# KiCad board PCB_PANELIZED.kicad_pcb (continued)
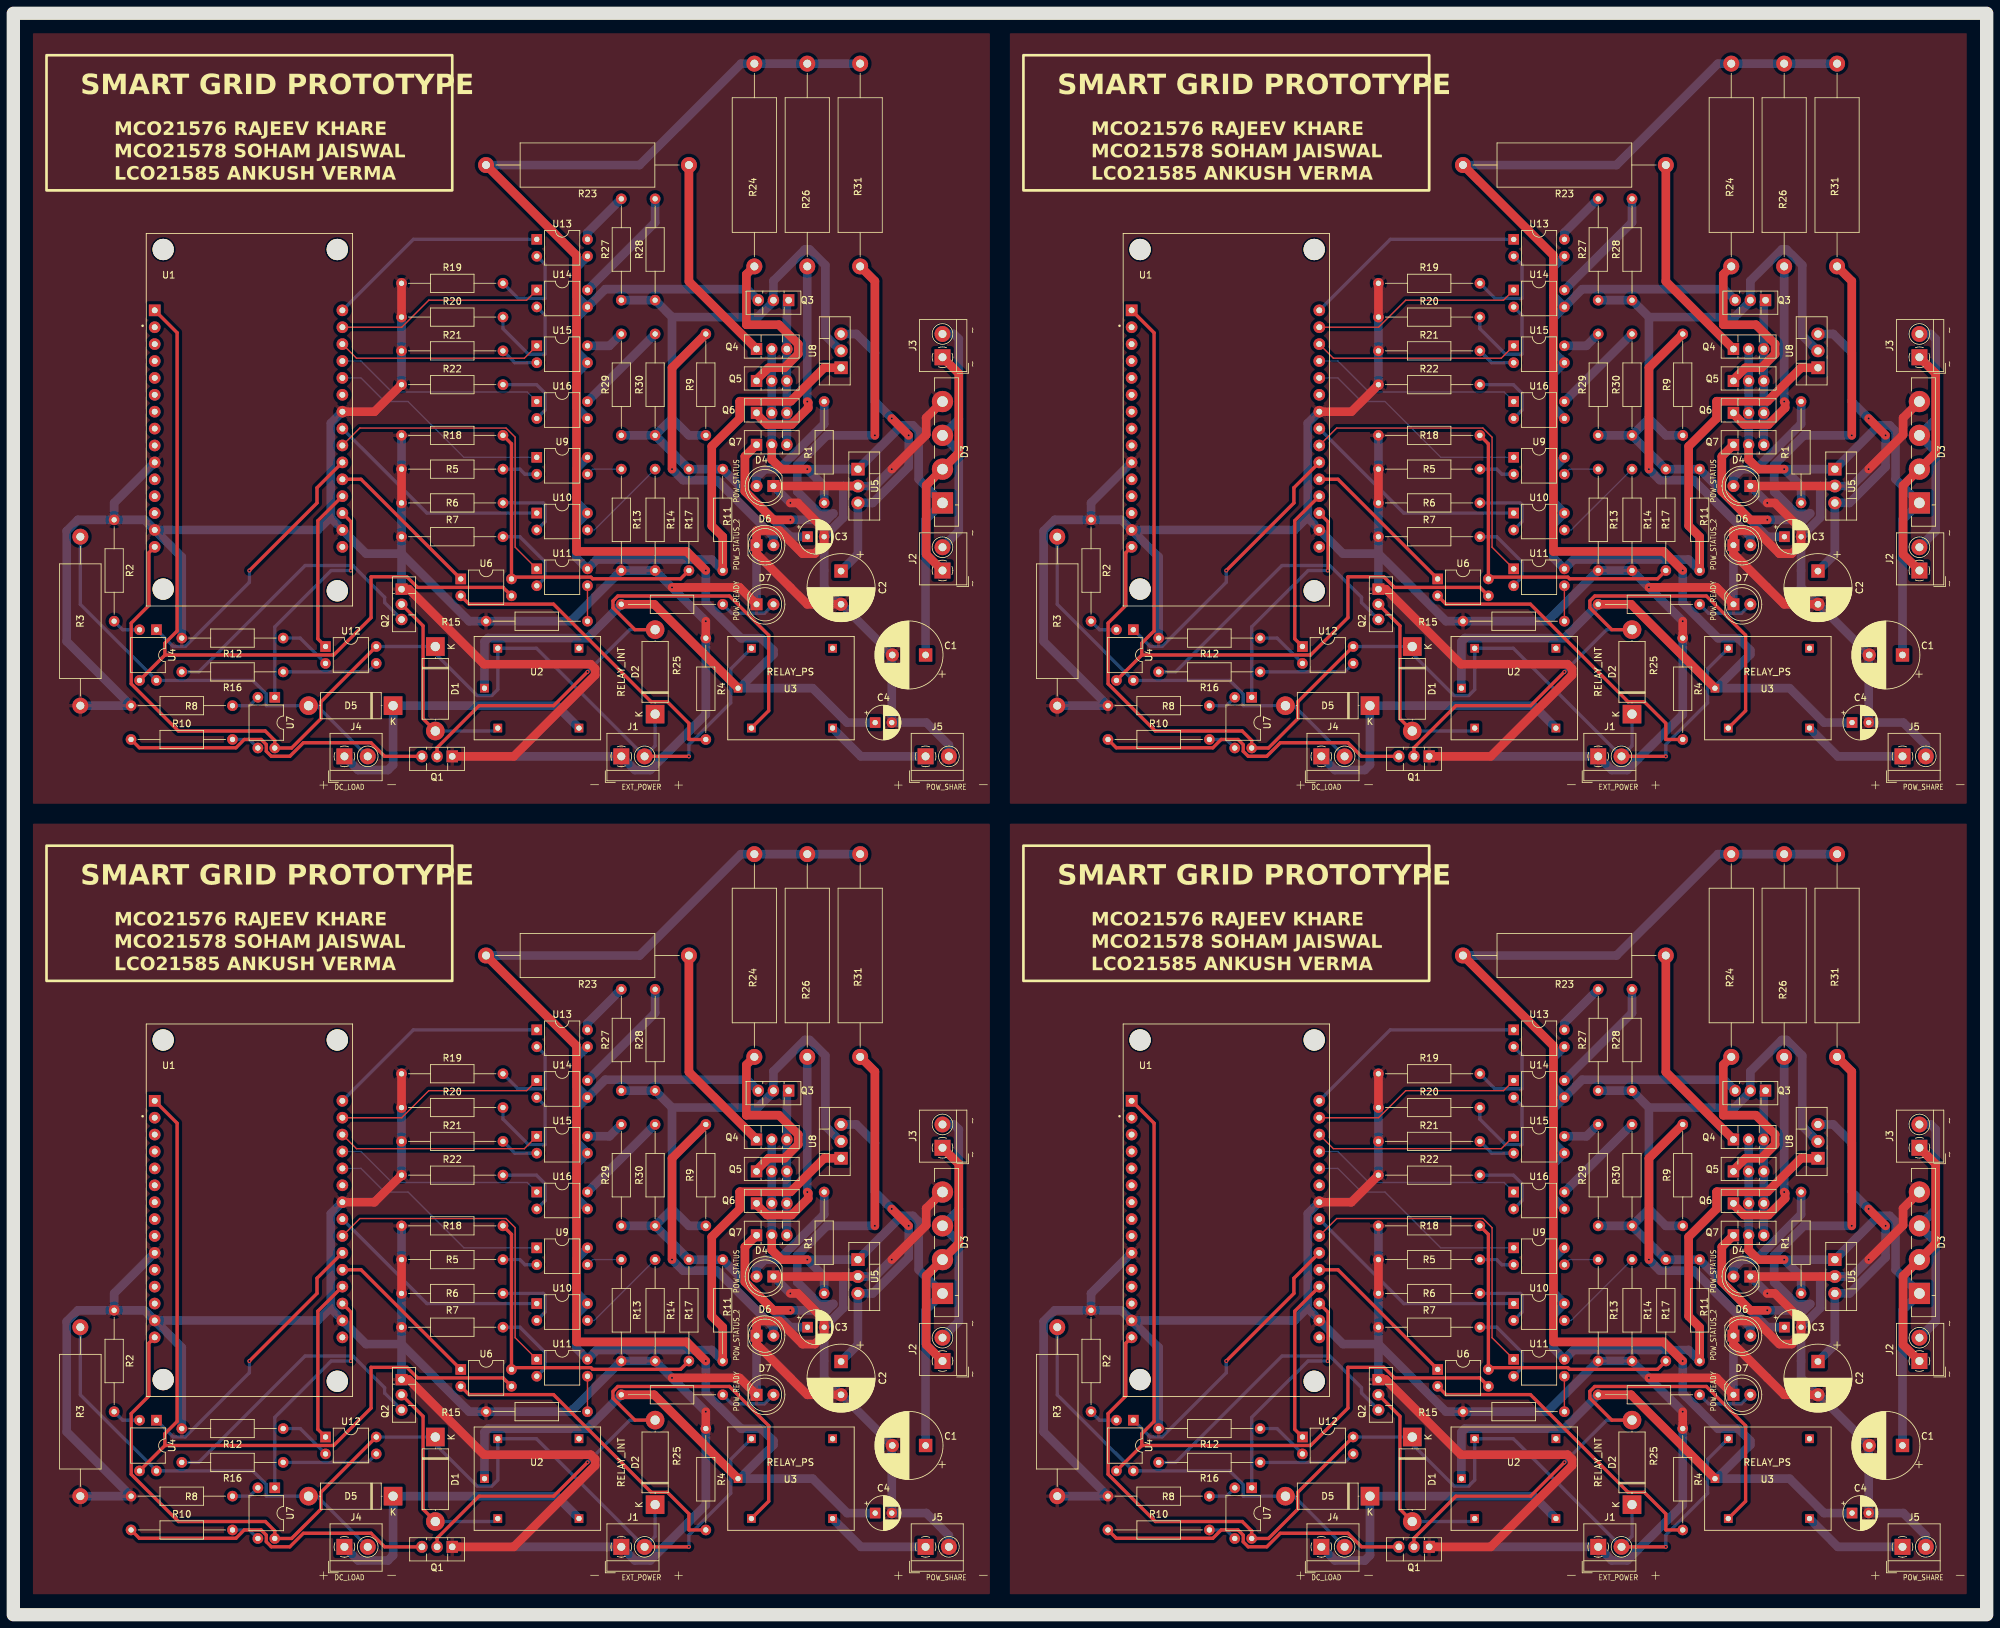
[diagram p0: board, top side]
## Placement (name value [footprint] x y rotation side) (continued)
U16#2  PC817  [DIP-4_W7.62mm]  78.65 63.54 0 top
U16#3  PC817  [DIP-4_W7.62mm]  225.43 182.38 0 top
U16#4  PC817  [DIP-4_W7.62mm]  225.43 63.54 0 top

## Library data of the parts
C1 C1#2 C1#3 C2 C2#2 C2#4 C3 C3#2 C3#3 C4 C4#2 C4#4 = -: Description: Polarized capacitor
C1#4 C2#3 C3#4 C4#3 = -: Description: Polarized capacitor; ki_fp_filters: CP_*
D1 D1#3 D1#4 D2#2-D2#4 D5 D5#2 D5#3 = -: Description: Diode; Sim.Device: D; Sim.Pins: 1=K 2=A
D1#2 D2 D5#4 = -: Description: Diode; Sim.Device: D; Sim.Pins: 1=K 2=A; ki_fp_filters: TO-???* *_Diode_* *SingleDiode* D_*
D3 D3#2 D3#4 = -: Datasheet: http://www.vishay.com/docs/88656/gbu4a.pdf; Description: Single-Phase Bridge Rectifier, 35V Vrms, 4.0A If, GBU package
D3#3 = -: Datasheet: http://www.vishay.com/docs/88656/gbu4a.pdf; Description: Single-Phase Bridge Rectifier, 35V Vrms, 4.0A If, GBU package; ki_fp_filters: Diode*Bridge*Vishay*GBU*
D4 D4#3 D4#4 D6 D6#2 D6#4 D7 D7#3 D7#4 = -: Description: Light emitting diode
D4#2 D6#3 D7#2 = -: Description: Light emitting diode; ki_fp_filters: LED* LED_SMD:* LED_THT:*
J1 J1#2 J1#3 J2 J2#2 J2#3 J3 J3#3 J3#4 J4 J4#3 J4#4 J5 J5#2 J5#3 = -: Description: Generic screw terminal, single row, 01x02, script generated (kicad-library-utils/schlib/autogen/connector/)
J1#4 J2#4 J3#2 J4#2 J5#4 = -: Description: Generic screw terminal, single row, 01x02, script generated (kicad-library-utils/schlib/autogen/connector/); ki_fp_filters: TerminalBlock*:*
Q1 Q1#3 Q1#4 Q2 Q2#2 Q2#3 Q3 Q3#2 Q3#4 Q4 Q4#2 Q4#4 Q5 Q5#2 Q5#4 Q6 Q6#3 Q6#4 Q7#2-Q7#4 = -: Datasheet: http://www.st.com/internet/com/TECHNICAL_RESOURCES/TECHNICAL_LITERATURE/DATASHEET/CD00001225.pdf; Description: 1.5A Ic, 80V Vce, Low Voltage Transistor, TO-126
Q1#2 Q2#4 Q3#3 Q4#3 Q5#3 Q6#2 Q7 = -: Datasheet: http://www.st.com/internet/com/TECHNICAL_RESOURCES/TECHNICAL_LITERATURE/DATASHEET/CD00001225.pdf; Description: 1.5A Ic, 80V Vce, Low Voltage Transistor, TO-126; ki_fp_filters: TO?126*
R1 R1#2 R1#3 R2 R2#2 R2#4 R3 R3#3 R3#4 R4#2-R4#4 R5#2-R5#4 R6 R6#3 R6#4 R7#2-R7#4 R8 R8#2 R8#4 R9 R9#2 R9#4 R10 R10#2 R10#3 R11 R11#2 R11#4 R12#2-R12#4 R13 R13#3 R13#4 R14 R14#3 R14#4 R15 R15#2 R15#3 R16 R16#3 R16#4 R17 R17#3 R17#4 R18#2-R18#4 R19 R19#2 R19#3 R20 R20#2 R20#3 R21 R21#2 R21#4 R22 R22#2 R22#3 R23#2-R23#4 R24#2-R24#4 R25#2-R25#4 R26 R26#2 R26#3 R27 R27#2 R27#4 R28 R28#2 R28#4 R29#2-R29#4 R30 R30#2 R30#4 R31 R31#2 R31#3 = -: Description: Resistor
R1#4 R2#3 R3#2 R4 R5 R6#2 R7 R8#3 R9#3 R10#4 R11#3 R12 R13#2 R14#2 R15#4 R16#2 R17#2 R18 R19#4 R20#4 R21#3 R22#4 R23-R25 R26#4 R27#3 R28#3 R29 R30#3 R31#4 = -: Description: Resistor; ki_fp_filters: R_*
U1 U1#2-U1#4 = -: Description: ESP8266 Lolin Development Board; MF: YKS; MAXIMUM_PACKAGE_HEIGHT: N/A; Package: None; Price: None; Check_prices: https://www.snapeda.com/parts/ZC563900/YKS/view-part/?ref=eda; STANDARD: Manufacturer Recommendations; PARTREV: 1.0; SnapEDA_Link: https://www.snapeda.com/parts/ZC563900/YKS/view-part/?ref=snap; MP: ZC563900; Description_1: NodeMcu Lua ESP8266 WIFI Internet of Things Network Development Module Board; Availability: Not in stock; MANUFACTURER: YKS
U2 U2#2-U2#4 U3 U3#2-U3#4 = -: MF: CIT Relay and Switch; Description_1: General Purpose Relay SPST-NO (1 Form A) 3VDC Coil Through Hole; Package: None; Price: None; SnapEDA_Link: https://www.snapeda.com/parts/J107F1AS123VDC.36/CIT+Relay+%2526+Switch/view-part/?ref=snap; MP: J107F1AS123VDC.36; Availability: In Stock; Check_prices: https://www.snapeda.com/parts/J107F1AS123VDC.36/CIT+Relay+%2526+Switch/view-part/?ref=eda
U4 U4#2 U4#4 U6 U6#2 U6#4 U7 U7#2 U7#3 U9 U9#2 U9#3 U10 U10#2 U10#4 U11 U11#3 U11#4 U12 U12#2 U12#3 U13 U13#3 U13#4 U14 U14#2 U14#3 U15 U15#2 U15#4 U16#2-U16#4 = -: Datasheet: http://www.soselectronic.cz/a_info/resource/d/pc817.pdf; Description: DC Optocoupler, Vce 35V, CTR 50-300%, DIP-4
U4#3 U6#3 U7#4 U9#4 U10#3 U11#2 U12#4 U13#2 U14#4 U15#3 U16 = -: Datasheet: http://www.soselectronic.cz/a_info/resource/d/pc817.pdf; Description: DC Optocoupler, Vce 35V, CTR 50-300%, DIP-4; ki_fp_filters: DIP*W7.62mm*
U5 U5#2 U5#3 = -: Datasheet: https://www.onsemi.cn/PowerSolutions/document/MC7800-D.PDF; Description: Positive 1A 35V Linear Regulator, Fixed Output 24V, TO-220
U5#4 = -: Datasheet: https://www.onsemi.cn/PowerSolutions/document/MC7800-D.PDF; Description: Positive 1A 35V Linear Regulator, Fixed Output 24V, TO-220; ki_fp_filters: TO?220*
U8 U8#2 U8#3 = -: Datasheet: http://www.ti.com/lit/ds/symlink/lm317.pdf; Description: 1.5A 35V Adjustable Linear Regulator, TO-220
U8#4 = -: Datasheet: http://www.ti.com/lit/ds/symlink/lm317.pdf; Description: 1.5A 35V Adjustable Linear Regulator, TO-220; ki_fp_filters: TO?220*

## Footprints (pads in the part's own frame, mm; a bottom-side part is the same pattern mirrored in y, then rotated)
CP_Radial_D5.0mm_P2.50mm
  rect 1.6x1.6 hole 0.8: 1(0,0)
  round 1.6 hole 0.8: 2(2.5,0)
CP_Radial_D10.0mm_P5.00mm
  rect 2x2 hole 1: 1(0,0)
  round 2 hole 1: 2(5,0)
D_5W_P12.70mm_Horizontal
  rect 2.8x2.8 hole 1.4: 1(0,0)
  oval 2.8x2.8 hole 1.4: 2(12.7,0)
Diode_Bridge_Vishay_GBU
  rect 3.2x3.2 hole 1.6: 1(0,0)
  round 3.2 hole 1.6: 2(5.08,0) 3(10.16,0) 4(15.24,0)
DIP-4_W7.62mm
  rect 1.6x1.6 hole 0.8: 1(0,0)
  oval 1.6x1.6 hole 0.8: 2(0,-2.54) 3(7.62,-2.54) 4(7.62,0)
J107F
  rect 1.308x1.308 hole 0.8: P$1(3.55,13.765) P$2(1.55,7.765) P$3(3.55,1.765) P$4(15.75,1.765) P$5(15.75,13.765)
LED_D5.0mm
  rect 1.8x1.8 hole 0.9: 1(0,0)
  round 1.8 hole 0.9: 2(2.54,0)
MODULE_ZC563900
  round 3.2 hole 3.2 unplated: (-10.16,29.464) (-10.16,-21.59) (16.002,29.464) (16.002,-21.844)
  rect 1.753x1.753 hole 0.889: 1(-11.43,20.32)
  round 1.753 hole 0.889: 2(-11.43,17.78) 3(-11.43,15.24) 4(-11.43,12.7) 5(-11.43,10.16) 6(-11.43,7.62) 7(-11.43,5.08) 8(-11.43,2.54) 9(-11.43,0) 10(-11.43,-2.54) 11(-11.43,-5.08) 12(-11.43,-7.62) 13(-11.43,-10.16) 14(-11.43,-12.7) 15(-11.43,-15.24) 16(16.764,-15.24) 17(16.764,-12.7) 18(16.764,-10.16) 19(16.764,-7.62) 20(16.764,-5.08) 21(16.764,-2.54) 22(16.764,0) 23(16.764,2.54) 24(16.764,5.08) 25(16.764,7.62) 26(16.764,10.16) 27(16.764,12.7) 28(16.764,15.24) 29(16.764,17.78) 30(16.764,20.32)
R_Axial_DIN0207_L6.3mm_D2.5mm_P15.24mm_Horizontal
  round 1.6 hole 0.8: 1(0,0)
  oval 1.6x1.6 hole 0.8: 2(15.24,0)
R_Axial_DIN0617_L17.0mm_D6.0mm_P25.40mm_Horizontal
  round 2.4 hole 1.2: 1(0,0)
  oval 2.4x2.4 hole 1.2: 2(25.4,0)
R_Axial_Power_L20.0mm_W6.4mm_P30.48mm
  round 2.4 hole 1.2: 1(0,0)
  oval 2.4x2.4 hole 1.2: 2(30.48,0)
TerminalBlock_4Ucon_1x02_P3.50mm_Horizontal
  rect 2.4x2.4 hole 1.2: 1(0,0)
  round 2.4 hole 1.2: 2(3.5,0)
TO-126-3_Vertical
  rect 1.71x1.8 hole 1: 1(0,0)
  oval 1.71x1.8 hole 1: 2(2.28,0) 3(4.56,0)
TO-220-3_Vertical
  rect 1.905x2 hole 1.1: 1(0,0)
  oval 1.905x2 hole 1.1: 2(2.54,0) 3(5.08,0)

## Nets
GND: C1.2 C1#2.2 C1#3.2 C1#4.2 C2.2 C2#2.2 C2#3.2 C2#4.2 C3.2 C3#2.2 C3#3.2 C3#4.2 C4.2 C4#2.2 C4#3.2 C4#4.2 D3.4 D3#2.4 D3#3.4 D3#4.4 D4.1 D4#2.1 D4#3.1 D4#4.1 D6.1 D6#2.1 D6#3.1 D6#4.1 D7.1 D7#2.1 D7#3.1 D7#4.1 J1.1 J1#2.1 J1#3.1 J1#4.1 J5.2 J5#2.2 J5#3.2 J5#4.2 Q1.1 Q1#2.1 Q1#3.1 Q1#4.1 Q2.1 Q2#2.1 Q2#3.1 Q2#4.1 R2.1 R2#2.1 R2#3.1 R2#4.1 R3.2 R3#2.2 R3#3.2 R3#4.2 R4.1 R4#2.1 R4#3.1 R4#4.1 R5.1 R5#2.1 R5#3.1 R5#4.1 R6.1 R6#2.1 R6#3.1 R6#4.1 R7.1 R7#2.1 R7#3.1 R7#4.1 R8.2 R8#2.2 R8#3.2 R8#4.2 R12.2 R12#2.2 R12#3.2 R12#4.2 R13.2 R13#2.2 R13#3.2 R13#4.2 R14.2 R14#2.2 R14#3.2 R14#4.2 R15.2 R15#2.2 R15#3.2 R15#4.2 R18.2 R18#2.2 R18#3.2 R18#4.2 R19.1 R19#2.1 R19#3.1 R19#4.1 R20.1 R20#2.1 R20#3.1 R20#4.1 R21.1 R21#2.1 R21#3.1 R21#4.1 R22.1 R22#2.1 R22#3.1 R22#4.1 U1.10 U1.14 U1.17 U1.24 U1#2.10 U1#2.14 U1#2.17 U1#2.24 U1#3.10 U1#3.14 U1#3.17 U1#3.24 U1#4.10 U1#4.14 U1#4.17 U1#4.24 U5.2 U5#2.2 U5#3.2 U5#4.2
/1k_R: R28.2 R28#2.2 R28#3.2 R28#4.2 U14.4 U14#2.4 U14#3.4 U14#4.4
/3k_R: R29.2 R29#2.2 R29#3.2 R29#4.2 U15.4 U15#2.4 U15#3.4 U15#4.4
/5k_R: R30.2 R30#2.2 R30#3.2 R30#4.2 U16.4 U16#2.4 U16#3.4 U16#4.4
/150_R: R27.2 R27#2.2 R27#3.2 R27#4.2 U13.4 U13#2.4 U13#3.4 U13#4.4
/A0: U1.1 U1#2.1 U1#3.1 U1#4.1 U4.3 U4#2.3 U4#3.3 U4#4.3 U6.3 U6#2.3 U6#3.3 U6#4.3
/C_SENSE: D5.2 D5#2.2 D5#3.2 D5#4.2 J4.2 J4#2.2 J4#3.2 J4#4.2 R3.1 R3#2.1 R3#3.1 R3#4.1 U4.4 U4#2.4 U4#3.4 U4#4.4
/CURRENT_CONTROL: Q3.3 Q3#2.3 Q3#3.3 Q3#4.3 U13.3 U13#2.3 U13#3.3 U13#4.3 U14.3 U14#2.3 U14#3.3 U14#4.3 U15.3 U15#2.3 U15#3.3 U15#4.3 U16.3 U16#2.3 U16#3.3 U16#4.3
/D0: U1.30 U1#2.30 U1#3.30 U1#4.30 U13.1 U13#2.1 U13#3.1 U13#4.1
/D1: U1.29 U1#2.29 U1#3.29 U1#4.29 U14.1 U14#2.1 U14#3.1 U14#4.1
/D2: U1.28 U1#2.28 U1#3.28 U1#4.28 U15.1 U15#2.1 U15#3.1 U15#4.1
/D3: U1.27 U1#2.27 U1#3.27 U1#4.27 U16.1 U16#2.1 U16#3.1 U16#4.1
/D4: U1.26 U1#2.26 U1#3.26 U1#4.26 U9.1 U9#2.1 U9#3.1 U9#4.1
/D5: U1.23 U1#2.23 U1#3.23 U1#4.23 U10.1 U10#2.1 U10#3.1 U10#4.1
/D6: U1.22 U1#2.22 U1#3.22 U1#4.22 U11.1 U11#2.1 U11#3.1 U11#4.1
/D7: U1.21 U1#2.21 U1#3.21 U1#4.21 U4.1 U4#2.1 U4#3.1 U4#4.1
/D8: U1.20 U1#2.20 U1#3.20 U1#4.20 U6.1 U6#2.1 U6#3.1 U6#4.1
/E1_TO_R: Q4.1 Q4#2.1 Q4#3.1 Q4#4.1 R23.1 R23#2.1 R23#3.1 R23#4.1
/E2_TO_R: Q5.1 Q5#2.1 Q5#3.1 Q5#4.1 R24.1 R24#2.1 R24#3.1 R24#4.1
/E3_TO_R: Q6.1 Q6#2.1 Q6#3.1 Q6#4.1 R26.1 R26#2.1 R26#3.1 R26#4.1
/E4_TO_R: Q7.1 Q7#2.1 Q7#3.1 Q7#4.1 R31.1 R31#2.1 R31#3.1 R31#4.1
/EXT_POWER: D1.1 D1#2.1 D1#3.1 D1#4.1 D2.1 D2#2.1 D2#3.1 D2#4.1 J1.2 J1#2.2 J1#3.2 J1#4.2 U1.15 U1#2.15 U1#3.15 U1#4.15 U2.P$1 U2#2.P$1 U2#3.P$1 U2#4.P$1 U3.P$1 U3#2.P$1 U3#3.P$1 U3#4.P$1 U7.4 U7#2.4 U7#3.4 U7#4.4 U12.4 U12#2.4 U12#3.4 U12#4.4
/LOAD+: C4.1 C4#2.1 C4#3.1 C4#4.1 R23.2 R23#2.2 R23#3.2 R23#4.2 R24.2 R24#2.2 R24#3.2 R24#4.2 R25.1 R25#2.1 R25#3.1 R25#4.1 R26.2 R26#2.2 R26#3.2 R26#4.2 R31.2 R31#2.2 R31#3.2 R31#4.2 U2.P$2 U2#2.P$2 U2#3.P$2 U2#4.P$2 U3.P$2 U3#2.P$2 U3#3.P$2 U3#4.P$2
/POW_IN_CON: C1.1 C1#2.1 C1#3.1 C1#4.1 D3.1 D3#2.1 D3#3.1 D3#4.1 Q4.2 Q4#2.2 Q4#3.2 Q4#4.2 Q5.2 Q5#2.2 Q5#3.2 Q5#4.2 Q6.2 Q6#2.2 Q6#3.2 Q6#4.2 Q7.2 Q7#2.2 Q7#3.2 Q7#4.2 R1.1 R1#2.1 R1#3.1 R1#4.1 U5.1 U5#2.1 U5#3.1 U5#4.1
/POW_REG_CON: C2.1 C2#2.1 C2#3.1 C2#4.1 U5.3 U5#2.3 U5#3.3 U5#4.3 U8.3 U8#2.3 U8#3.3 U8#4.3
/POWER_ON_OFF: U1.19 U1#2.19 U1#3.19 U1#4.19 U12.1 U12#2.1 U12#3.1 U12#4.1
/PSHARE_ON_OFF: U1.18 U1#2.18 U1#3.18 U1#4.18 U7.1 U7#2.1 U7#3.1 U7#4.1
/RELAY1_IN: D2.2 D2#2.2 D2#3.2 D2#4.2 Q1.2 Q1#2.2 Q1#3.2 Q1#4.2 U3.P$3 U3#2.P$3 U3#3.P$3 U3#4.P$3
/RELAY_IN: D1.2 D1#2.2 D1#3.2 D1#4.2 Q2.2 Q2#2.2 Q2#3.2 Q2#4.2 U2.P$3 U2#2.P$3 U2#3.P$3 U2#4.P$3
/V_CONTROL: R11.1 R11#2.1 R11#3.1 R11#4.1 U8.1 U8#2.1 U8#3.1 U8#4.1 U9.4 U9#2.4 U9#3.4 U9#4.4 U10.4 U10#2.4 U10#3.4 U10#4.4 U11.4 U11#2.4 U11#3.4 U11#4.4
/V_OUT: C3.1 C3#2.1 C3#3.1 C3#4.1 Q3.2 Q3#2.2 Q3#3.2 Q3#4.2 R9.1 R9#2.1 R9#3.1 R9#4.1 R11.2 R11#2.2 R11#3.2 R11#4.2 R17.1 R17#2.1 R17#3.1 R17#4.1 R27.1 R27#2.1 R27#3.1 R27#4.1 R28.1 R28#2.1 R28#3.1 R28#4.1 R29.1 R29#2.1 R29#3.1 R29#4.1 R30.1 R30#2.1 R30#3.1 R30#4.1 U8.2 U8#2.2 U8#3.2 U8#4.2
/V_SENSE: R17.2 R17#2.2 R17#3.2 R17#4.2 R18.1 R18#2.1 R18#3.1 R18#4.1 U6.4 U6#2.4 U6#3.4 U6#4.4
VAC: D3.3 D3#2.3 D3#3.3 D3#4.3 J2.2 J2#2.2 J2#3.2 J2#4.2 J3.2 J3#2.2 J3#3.2 J3#4.2
Net-(D4-A): D4.2 D4#2.2 D4#3.2 D4#4.2 R1.2 R1#2.2 R1#3.2 R1#4.2
Net-(D5-K): D5.1 D5#2.1 D5#3.1 D5#4.1 J4.1 J4#2.1 J4#3.1 J4#4.1 U2.P$4 U2#2.P$4 U2#3.P$4 U2#4.P$4
Net-(D6-A): D6.2 D6#2.2 D6#3.2 D6#4.2 R9.2 R9#2.2 R9#3.2 R9#4.2
Net-(D7-A): D7.2 D7#2.2 D7#3.2 D7#4.2 R25.2 R25#2.2 R25#3.2 R25#4.2
Net-(J2-Pin_1): D3.2 D3#2.2 D3#3.2 D3#4.2 J2.1 J2#2.1 J2#3.1 J2#4.1 J3.1 J3#2.1 J3#3.1 J3#4.1
Net-(J5-Pin_1): J5.1 J5#2.1 J5#3.1 J5#4.1 U3.P$4 U3#2.P$4 U3#3.P$4 U3#4.P$4
Net-(Q1-B): Q1.3 Q1#2.3 Q1#3.3 Q1#4.3 R10.1 R10#2.1 R10#3.1 R10#4.1
Net-(Q2-B): Q2.3 Q2#2.3 Q2#3.3 Q2#4.3 R16.2 R16#2.2 R16#3.2 R16#4.2
Net-(Q3-E): Q3.1 Q3#2.1 Q3#3.1 Q3#4.1 Q4.3 Q4#2.3 Q4#3.3 Q4#4.3 Q5.3 Q5#2.3 Q5#3.3 Q5#4.3 Q6.3 Q6#2.3 Q6#3.3 Q6#4.3 Q7.3 Q7#2.3 Q7#3.3 Q7#4.3
Net-(R2-Pad2): R2.2 R2#2.2 R2#3.2 R2#4.2 U4.2 U4#2.2 U4#3.2 U4#4.2
Net-(R4-Pad2): R4.2 R4#2.2 R4#3.2 R4#4.2 U6.2 U6#2.2 U6#3.2 U6#4.2
Net-(R5-Pad2): R5.2 R5#2.2 R5#3.2 R5#4.2 U9.2 U9#2.2 U9#3.2 U9#4.2
Net-(R6-Pad2): R6.2 R6#2.2 R6#3.2 R6#4.2 U10.2 U10#2.2 U10#3.2 U10#4.2
Net-(R7-Pad2): R7.2 R7#2.2 R7#3.2 R7#4.2 U11.2 U11#2.2 U11#3.2 U11#4.2
Net-(R8-Pad1): R8.1 R8#2.1 R8#3.1 R8#4.1 U7.2 U7#2.2 U7#3.2 U7#4.2
Net-(R10-Pad2): R10.2 R10#2.2 R10#3.2 R10#4.2 U7.3 U7#2.3 U7#3.3 U7#4.3
Net-(R12-Pad1): R12.1 R12#2.1 R12#3.1 R12#4.1 U12.2 U12#2.2 U12#3.2 U12#4.2
Net-(R13-Pad1): R13.1 R13#2.1 R13#3.1 R13#4.1 U9.3 U9#2.3 U9#3.3 U9#4.3
Net-(R14-Pad1): R14.1 R14#2.1 R14#3.1 R14#4.1 U10.3 U10#2.3 U10#3.3 U10#4.3
Net-(R15-Pad1): R15.1 R15#2.1 R15#3.1 R15#4.1 U11.3 U11#2.3 U11#3.3 U11#4.3
Net-(R16-Pad1): R16.1 R16#2.1 R16#3.1 R16#4.1 U12.3 U12#2.3 U12#3.3 U12#4.3
Net-(R19-Pad2): R19.2 R19#2.2 R19#3.2 R19#4.2 U13.2 U13#2.2 U13#3.2 U13#4.2
Net-(R20-Pad2): R20.2 R20#2.2 R20#3.2 R20#4.2 U14.2 U14#2.2 U14#3.2 U14#4.2
Net-(R21-Pad2): R21.2 R21#2.2 R21#3.2 R21#4.2 U15.2 U15#2.2 U15#3.2 U15#4.2
Net-(R22-Pad2): R22.2 R22#2.2 R22#3.2 R22#4.2 U16.2 U16#2.2 U16#3.2 U16#4.2

Pads without a net: U1 2 3 4 5 6 7 8 9 11 12 13 16 25; U1#2 2 3 4 5 6 7 8 9 11 12 13 16 25; U1#3 2 3 4 5 6 7 8 9 11 12 13 16 25; U1#4 2 3 4 5 6 7 8 9 11 12 13 16 25; U2 P$5; U2#2 P$5; U2#3 P$5; U2#4 P$5; U3 P$5; U3#2 P$5; U3#3 P$5; U3#4 P$5

## Via types
v1: diameter 0.6, hole 0.3, Top to Bottom, 64 vias

## Routing (per net, layer and track width the routed paths; a pad name or vN(x,y) marks a point on that pad's centre or on a via; arc(x,y) is an arc through that point)
GND: length 2057
  Top w1.3: R22.1 201.05,62.02 U1#3.24 ; R5#3.1 R6#3.1 ; D7.1 109.13,35.6 v1(98.97,35.6) ; U1#2.24 54.27,180.86 R22#4.1 ; v1(98.97,154.44) 109.13,154.44 D7#2.1 ; D7#3.1 255.91,35.6 v1(245.75,35.6) ; v1(104.05,30.52) R4#2.1 ; Q2.1 206.21,35.34 217.5,24.05 233.53,24.05 234.2,23.38 234.2,22.42 221.98,10.2 Q1.1 ; Q2#3.1 59.43,35.34 70.72,24.05 86.75,24.05 87.42,23.38 87.42,22.42 75.2,10.2 Q1#4.1 ; C2#3.2 119.29,151.9 111.67,159.52 D6#3.1 111.67,162.99 115.1,162.99 118.57,159.52 120.42,159.52 121.83,160.93 C3#4.2 121.83,163.19 117.88,167.14 v1(116.75,167.14) ; R19#3.1 R20#3.1 ; v1(104.05,149.36) R4.1 ; Q1#2.1 75.2,129.04 87.42,141.26 87.42,142.22 86.75,142.89 70.72,142.89 59.43,154.18 Q2#4.1 ; C2#2.2 266.07,151.9 258.45,159.52 D6#2.1 258.45,162.99 261.88,162.99 265.35,159.52 267.2,159.52 268.61,160.93 C3#3.2 268.61,163.19 264.66,167.14 v1(263.53,167.14) ; D4#4.1 U5#2.2 ; Q2#2.1 206.21,154.18 217.5,142.89 233.53,142.89 234.2,142.22 234.2,141.26 221.98,129.04 Q1#3.1 ; D3#2.4 283.94,61.09 283.94,58.55 v1(278.77,53.38) ; D3#3.4 137.16,179.93 137.16,177.39 v1(131.99,172.22) ; v1(250.83,30.52) R4#4.1 ; D7#4.1 255.91,154.44 v1(245.75,154.44) ; R22#3.1 54.27,62.02 U1#4.24 ; v1(250.83,149.36) R4#3.1 ; D4#3.1 U5#3.2 ; R19.1 R20#2.1 ; D3#4.4 283.94,179.93 283.94,177.39 v1(278.77,172.22) ; R5#4.1 R6#4.1 ; R22#2.1 201.05,180.86 U1.24 ; D3.4 137.16,61.09 137.16,58.55 v1(131.99,53.38) ; D4#2.1 U5#4.2 ; v1(116.75,48.3) 117.88,48.3 121.83,44.35 C3.2 121.83,42.09 120.42,40.68 118.57,40.68 115.1,44.15 111.67,44.15 D6.1 111.67,40.68 119.29,33.06 C2.2 ; C2#4.2 266.07,33.06 258.45,40.68 D6#4.1 258.45,44.15 261.88,44.15 265.35,40.68 267.2,40.68 268.61,42.09 C3#2.2 268.61,44.35 264.66,48.3 v1(263.53,48.3) ; R5#2.1 R6.1 ; R19#4.1 R20#4.1 ; D4.1 U5.2 ; R5.1 R6#2.1 ; R19#2.1 R20.1
  Bottom w1.3: 205.11,40.68 199.78,40.68 U1#3.17 ; 205.11,40.68 Q2.1 ; 205.11,40.68 R7#2.1 R6#4.1 ; 205.11,40.68 215.27,30.52 R15#2.2 230.51,30.52 R13.2 R14#4.2 v1(250.83,30.52) ; v1(116.75,167.14) D4#2.1 ; 205.11,159.52 215.27,149.36 R15.2 230.51,149.36 R13#3.2 R14#3.2 v1(250.83,149.36) ; 205.11,159.52 Q2#2.1 ; 205.11,159.52 R7#4.1 R6.1 ; 205.11,159.52 199.78,159.52 U1.17 ; J5.2 287.35,130.74 283.97,134.12 C4#4.2 278.77,144.2 C1#3.2 271.23,151.9 C2#2.2 268.61,154.44 C3#3.2 271.49,164.94 271.49,169.68 U5#2.2 276.23,169.68 v1(278.77,172.22) ; Q2#4.1 58.33,159.52 ; 58.33,159.52 53,159.52 U1#2.17 ; 58.33,159.52 68.49,149.36 R15#4.2 83.73,149.36 R13#2.2 R14#2.2 v1(104.05,149.36) ; 58.33,159.52 R7.1 R6#2.1 ; R2#2.1 19.72,45.76 U1#4.14 ; R2#2.1 9.71,45.76 8.02,44.07 8.02,27.49 R8#4.2 R3#3.2 ; R2#2.1 15.15,48.3 U1#4.10 ; 195.5,45.05 194.49,46.06 194.49,46.22 ; v1(104.05,30.52) R14.2 R13#4.2 83.73,30.52 R15#3.2 68.49,30.52 58.33,40.68 ; U1.24 194.49,179.13 194.49,165.06 ; R20.1 R21#2.1 R22#2.1 ; R22#4.1 R21#3.1 R20#4.1 ; R2.1 156.49,45.76 154.8,44.07 154.8,27.49 R8.2 R3#4.2 ; R2.1 161.93,48.3 U1#3.10 ; R2.1 166.5,45.76 U1#3.14 ; 47.71,46.22 47.71,46.06 48.72,45.05 ; 47.71,46.22 45.73,44.24 U1#4.14 ; 47.71,46.22 47.71,60.29 U1#4.24 ; U1#3.14 172.09,40.17 R12#4.2 ; U1#3.14 192.51,44.24 194.49,46.22 ; R2#3.1 9.71,164.6 8.02,162.91 8.02,146.33 R8#3.2 R3#2.2 ; R2#3.1 15.15,167.14 U1#2.10 ; R2#3.1 19.72,164.6 U1#2.14 ; U1.14 172.09,159.01 R12#3.2 ; U1.14 192.51,163.08 194.49,165.06 ; U1.14 166.5,164.6 R2#4.1 ; R18#2.2 R5#3.1 ; 47.71,165.06 45.73,163.08 U1#2.14 ; 47.71,165.06 47.71,179.13 U1#2.24 ; 47.71,165.06 47.71,164.9 48.72,163.89 ; U1#4.14 25.31,40.17 R12#2.2 ; R2#4.1 161.93,167.14 U1.10 ; R2#4.1 156.49,164.6 154.8,162.91 154.8,146.33 R8#2.2 R3.2 ; v1(263.53,167.14) D4#4.1 ; D7#3.1 D6#4.1 ; R22#3.1 R21#4.1 R20#2.1 ; R18#4.2 R5#4.1 ; R22.1 R21.1 R20#3.1 ; 58.33,40.68 R7#3.1 R6#3.1 ; 58.33,40.68 Q2#3.1 ; 58.33,40.68 53,40.68 U1#4.17 ; 194.49,165.06 194.49,164.9 195.5,163.89 ; Q1#3.1 J1#2.1 240.18,126.99 242.48,126.99 250.83,135.34 R4#3.1 ; Q1#4.1 J1#3.1 93.4,8.15 95.7,8.15 104.05,16.5 R4#2.1 ; 194.49,46.22 194.49,60.29 U1#3.24 ; J5#2.2 287.35,11.9 283.97,15.28 C4.2 278.77,25.36 C1#2.2 271.23,33.06 C2#4.2 268.61,35.6 C3#2.2 271.49,46.09 271.49,50.84 U5.2 276.23,50.84 v1(278.77,53.38) ; J5#3.2 140.57,11.9 137.19,15.28 C4#2.2 131.99,25.36 C1.2 124.45,33.06 C2.2 121.83,35.6 C3.2 124.71,46.09 124.71,50.84 U5#3.2 129.45,50.84 v1(131.99,53.38) ; R4#4.1 250.83,16.5 242.48,8.15 240.18,8.15 J1.1 Q1.1 ; R4.1 104.05,135.34 95.7,126.99 93.4,126.99 J1#4.1 Q1#2.1 ; v1(131.99,172.22) 129.45,169.68 U5#4.2 124.71,169.68 124.71,164.94 C3#4.2 121.83,154.44 C2#3.2 124.45,151.9 C1#4.2 131.99,144.2 C4#3.2 137.19,134.12 140.57,130.74 J5#4.2 ; v1(263.53,48.3) D4.1 ; U1#2.14 25.31,159.01 R12.2 ; R18#3.2 R5#2.1 ; v1(116.75,48.3) D4#3.1 ; D7#4.1 D6#2.1 ; R18.2 R5.1 ; D7#2.1 D6#3.1 ; D7.1 D6.1
/1k_R: length 71.7
  Bottom w1.3: R28#2.2 243.21,90.47 U14#3.4 ; R28.2 243.21,209.31 U14#2.4 ; U14.4 96.43,90.47 R28#4.2 ; R28#3.2 96.43,209.31 U14#4.4
/3k_R: length 23.3
  Bottom w1.3: R29#2.2 89.57,71.92 U15#2.4 ; U15.4 236.35,190.76 R29#3.2 ; U15#4.4 236.35,71.92 R29#4.2 ; U15#3.4 89.57,190.76 R29.2
/5k_R: length 57.5
  Bottom w1.3: R30#2.2 U16#3.4 ; R30#4.2 U16#4.4 ; R30#3.2 U16.4 ; R30.2 U16#2.4
/150_R: length 32.8
  Bottom w1.3: R27#2.2 86.27,88.94 U13.4 ; U13#4.4 233.05,207.78 R27.2 ; R27#3.2 86.27,207.78 U13#2.4 ; R27#4.2 233.05,88.94 U13#3.4
/A0: length 484.4
  Top w0.5: U1#2.1 24.62,192.73 24.62,147.89 22.78,146.06 22.78,144.27 ; U6#4.3 73.58,35.6 60.72,35.6 59.13,37.19 53.75,37.19 53.75,31.05 48.13,25.44 22.78,25.44 22.78,25.43 ; 22.78,25.43 U4#4.3 ; 22.78,25.43 22.78,27.22 24.62,29.05 24.62,73.89 U1#4.1 ; 169.56,25.43 U4.3 ; 169.56,25.43 169.56,25.44 194.91,25.44 200.53,31.05 200.53,37.19 205.91,37.19 207.5,35.6 220.37,35.6 U6.3 ; 169.56,25.43 169.56,27.22 171.4,29.05 171.4,73.89 U1#3.1 ; U6#2.3 220.37,154.44 207.5,154.44 205.91,156.03 200.53,156.03 200.53,149.89 194.91,144.28 169.56,144.28 169.56,144.27 ; U1.1 171.4,192.73 171.4,147.89 169.56,146.06 169.56,144.27 ; 169.56,144.27 U4#2.3 ; U6#3.3 73.58,154.44 60.72,154.44 59.13,156.03 53.75,156.03 53.75,149.89 48.13,144.28 22.78,144.28 22.78,144.27 ; 22.78,144.27 U4#3.3
/C_SENSE: length 255.3
  Bottom w0.5: R3#3.1 10.07,33.06 U4#4.4 35.97,21.62 38.01,19.58 38.01,17.85 38.05,17.82 D5#2.2 45.63,17.82 J4#3.2 ; R3.1 156.85,151.89 U4#2.4 182.75,140.46 184.79,138.42 184.79,136.69 184.82,136.66 D5.2 192.41,136.66 J4#4.2 ; R3#2.1 10.07,151.89 U4#3.4 35.97,140.46 38.01,138.42 38.01,136.69 38.05,136.66 D5#4.2 45.63,136.66 J4#2.2 ; R3#4.1 156.85,33.06 U4.4 182.75,21.62 184.79,19.58 184.79,17.85 184.82,17.82 D5#3.2 192.41,17.82 J4.2
/CURRENT_CONTROL: length 223.7
  Bottom w1.3: U14#3.3 235.71,80.43 257.06,80.43 Q3#4.3 ; U14#3.3 231.4,76.12 231.4,71.03 U15#4.3 231.4,67.73 231.4,62.65 U16#4.3 ; U14#3.3 231.4,79.42 231.4,83.74 U13#3.3 ; U14#2.3 235.71,199.27 257.06,199.27 Q3#2.3 ; U14#2.3 231.4,194.96 231.4,189.87 U15.3 231.4,186.57 231.4,181.49 U16#3.3 ; U14#2.3 231.4,198.26 231.4,202.58 U13#4.3 ; U16#2.3 84.62,62.65 84.62,67.73 U15#2.3 84.62,71.03 84.62,76.12 U14.3 ; U14.3 84.62,79.42 84.62,83.74 U13.3 ; U14.3 88.93,80.43 110.28,80.43 Q3.3 ; U14#4.3 88.93,199.27 110.28,199.27 Q3#3.3 ; U14#4.3 84.62,194.96 84.62,189.87 U15#3.3 84.62,186.57 84.62,181.49 U16.3 ; U14#4.3 84.62,198.26 84.62,202.58 U13#2.3
/D0: length 134.5
  Bottom w0.5: U1.30 206.89,206.77 U13#4.1 ; U1#4.30 60.11,87.93 U13.1 ; U13#2.1 60.11,206.77 U1#2.30 ; U13#3.1 206.89,87.93 U1#3.30
/D1: length 126.1
  Top w0.2: U14#2.1 223.9,197.62 209.21,197.62 205.14,193.56 U1.29 ; U14#3.1 223.9,78.78 209.21,78.78 205.14,74.72 U1#3.29 ; U1#2.29 58.36,193.56 62.43,197.62 77.12,197.62 U14#4.1 ; U1#4.29 58.36,74.72 62.43,78.78 77.12,78.78 U14.1
/D2: length 123.4
  Top w0.2: U15.1 223.57,188.9 198.34,188.9 U1.28 ; U15#4.1 223.57,70.06 198.34,70.06 U1#3.28 ; U15#2.1 76.79,70.06 51.56,70.06 U1#4.28 ; U1#2.28 51.56,188.9 76.79,188.9 U15#3.1
/D3: length 126.9
  Bottom w0.2: U16#2.1 77.21,64.98 56.89,64.98 52.23,69.64 U1#4.27 ; U16#3.1 223.99,183.82 203.67,183.82 199.01,188.48 U1.27 ; U16.1 77.21,183.82 56.89,183.82 52.23,188.48 U1#2.27 ; U16#4.1 223.99,64.98 203.67,64.98 199.01,69.64 U1#3.27
/D4: length 136.6
  Bottom w0.2: U9#4.1 67.7,174 59.31,182.38 55.79,182.38 52.23,185.94 U1#2.26 ; U1#4.26 52.23,67.1 55.79,63.54 59.31,63.54 67.7,55.16 U9.1 ; U9#2.1 214.48,55.16 206.09,63.54 202.57,63.54 199.01,67.1 U1#3.26 ; U9#3.1 214.48,174 206.09,182.38 202.57,182.38 199.01,185.94 U1.26
/D5: length 137.9
  Bottom w0.5: U10#3.1 62.14,165.61 U1#2.23 ; U10#4.1 62.14,46.77 U1#4.23 ; U10#2.1 208.92,46.77 U1#3.23 ; U1.23 208.92,165.61 U10.1
/D6: length 195
  Top w0.2: U11#2.1 75.4,160.48 75.4,177.03 74.03,178.4 52.06,178.4 U1#2.22 ; U1#4.22 52.06,59.56 74.03,59.56 75.4,58.19 75.4,41.64 U11#4.1 ; U11.1 222.18,160.48 222.18,177.03 220.81,178.4 198.84,178.4 U1.22 ; U1#3.22 198.84,59.56 220.81,59.56 222.18,58.19 222.18,41.64 U11#3.1
/D7: length 171.2
  Top w0.5: v1(182.25,38.14) 192.41,48.3 192.41,50.59 U1#3.21 ; v1(35.47,38.14) 45.63,48.3 45.63,50.59 U1#4.21 ; v1(182.25,156.98) 192.41,167.14 192.41,169.43 U1.21 ; v1(35.47,156.98) 45.63,167.14 45.63,169.43 U1#2.21
  Bottom w0.5: U4#4.1 24.02,26.73 25.83,26.73 35.47,36.37 v1(35.47,38.14) ; v1(182.25,156.98) 182.25,155.21 172.61,145.57 170.79,145.57 U4#2.1 ; v1(182.25,38.14) 182.25,36.37 172.61,26.73 170.79,26.73 U4.1 ; U4#3.1 24.02,145.57 25.83,145.57 35.47,155.21 v1(35.47,156.98)
/D8: length 96
  Top w0.5: U1#2.20 52.25,170.7 U6#3.1 ; U1#4.20 52.25,51.86 U6#4.1 ; U1.20 199.03,170.7 U6#2.1 ; U6.1 199.03,51.86 U1#3.20
/E1_TO_R: length 127.5
  Top w1.3: R23#2.1 248.29,200.44 Q4.1 ; R23#3.1 248.29,81.6 Q4#4.1 ; R23#4.1 101.51,81.6 Q4#2.1 ; R23.1 101.51,200.44 Q4#3.1
/E2_TO_R: length 111.2
  Top w1.3: Q5#3.1 111.67,185.66 113.47,187.46 115.87,187.46 117.94,189.53 117.94,191.03 115.03,193.93 110.14,193.93 110.14,201.5 R24.1 ; R24#4.1 256.92,201.5 256.92,193.93 261.81,193.93 264.71,191.03 264.71,189.53 262.65,187.46 260.25,187.46 258.45,185.66 Q5.1 ; Q5#2.1 111.67,66.82 113.47,68.62 115.87,68.62 117.94,70.69 117.94,72.19 115.03,75.09 110.14,75.09 110.14,82.66 R24#2.1 ; Q5#4.1 258.45,66.82 260.25,68.62 262.65,68.62 264.71,70.69 264.71,72.19 261.81,75.09 256.92,75.09 256.92,82.66 R24#3.1
/E3_TO_R: length 124.7
  Top w1.3: v1(266.07,182.38) 266.21,182.24 266.21,181.43 263.72,178.93 260.02,178.93 258.45,180.5 Q6#4.1 ; Q6.1 258.45,61.66 260.02,60.09 263.72,60.09 266.21,62.59 266.21,63.4 v1(266.07,63.54) ; v1(119.29,63.54) 119.44,63.4 119.44,62.59 116.94,60.09 113.24,60.09 111.67,61.66 Q6#3.1 ; R26#3.1 119.44,83.72 ; R26.1 266.21,83.72 ; R26#4.1 119.44,202.56 ; v1(119.29,182.38) 119.44,182.24 119.44,181.43 116.94,178.93 113.24,178.93 111.67,180.5 Q6#2.1 ; R26#2.1 266.21,202.56
  Bottom w1.3: v1(266.07,63.54) R26.1 ; v1(119.29,182.38) R26#4.1 ; v1(266.07,182.38) R26#2.1 ; v1(119.29,63.54) R26#3.1
/E4_TO_R: length 295.3
  Top w1.3: v1(276.23,177.3) 276.23,200.49 R31#3.1 ; R31#4.1 129.45,200.49 v1(129.45,177.3) ; v1(116.75,45.76) 114.21,45.76 109.92,50.05 109.92,55.29 Q7#3.1 ; Q7#4.1 256.7,174.13 256.7,168.89 260.99,164.6 v1(263.53,164.6) ; R31.1 276.23,81.65 v1(276.23,58.46) ; Q7.1 109.92,174.13 109.92,168.89 114.21,164.6 v1(116.75,164.6) ; v1(263.53,45.76) 260.99,45.76 256.7,50.05 256.7,55.29 Q7#2.1 ; R31#2.1 129.45,81.65 v1(129.45,58.46)
  Bottom w1.3: v1(263.53,45.76) 269.03,45.76 269.99,46.72 269.92,46.65 267.93,46.65 264.57,50.01 264.57,54 269.03,58.46 v1(276.23,58.46) ; v1(129.45,177.3) 122.25,177.3 117.79,172.84 117.79,168.85 121.15,165.49 123.14,165.49 123.21,165.56 122.25,164.6 v1(116.75,164.6) ; v1(263.53,164.6) 269.03,164.6 269.99,165.56 269.92,165.49 267.93,165.49 264.57,168.85 264.57,172.84 269.03,177.3 v1(276.23,177.3) ; v1(116.75,45.76) 122.25,45.76 123.21,46.72 123.14,46.65 121.15,46.65 117.79,50.01 117.79,54 122.25,58.46 v1(129.45,58.46)
/EXT_POWER: length 649.8
  Top w0.5: U1#4.15 20.37,40.82 20.37,32.89 17.71,30.24 17.71,21.1 24.81,14.01 37.87,14.01 39.28,12.59 U7.4 41.81,11.46 46.21,15.86 46.21,18.4 U12#2.4 ; U12#4.4 46.21,137.24 46.21,134.7 41.81,130.3 U7#4.4 39.28,131.43 37.87,132.85 24.81,132.85 17.71,139.94 17.71,149.08 20.37,151.73 20.37,159.66 U1#2.15 ; v1(248.29,129.04) J1#2.2 ; v1(101.51,10.2) J1#3.2 ; U1.15 167.15,159.66 167.15,151.73 164.5,149.08 164.5,139.94 171.59,132.85 184.65,132.85 186.06,131.43 U7#3.4 188.59,130.3 192.99,134.7 192.99,137.24 U12#3.4 ; v1(248.29,10.2) J1.2 ; U12.4 192.99,18.4 192.99,15.86 188.59,11.46 U7#2.4 186.06,12.59 184.65,14.01 171.59,14.01 164.5,21.1 164.5,30.24 167.15,32.89 167.15,40.82 U1#3.15 ; v1(101.51,129.04) J1#4.2
  Bottom w0.5: U12#3.4 201.31,145.55 D1#4.1 210.19,144.47 216.47,138.19 218.68,138.19 219.57,139.09 U2#4.P$1 225.38,145.29 J1#2.2 243.21,130.62 D2#3.1 ; U12#4.4 54.53,145.55 D1#2.1 63.41,144.47 69.69,138.19 71.9,138.19 72.79,139.09 U2#3.P$1 78.6,145.29 J1#4.2 96.43,130.62 D2.1 ; U3#3.P$1 107.79,23.35 107.79,18.25 101.51,11.97 v1(101.51,10.2) ; U12#2.4 54.53,26.71 D1#3.1 63.41,25.63 69.69,19.35 71.9,19.35 72.79,20.25 U2#2.P$1 78.6,26.45 J1#3.2 96.43,11.78 D2#4.1 ; v1(248.29,10.2) 248.29,11.97 254.57,18.25 254.57,23.35 U3.P$1 ; v1(248.29,129.04) 248.29,130.81 254.57,137.09 254.57,142.19 U3#4.P$1 ; U12.4 201.31,26.71 D1.1 210.19,25.63 216.47,19.35 218.68,19.35 219.57,20.25 U2.P$1 225.38,26.45 J1.2 243.21,11.78 D2#2.1 ; U3#2.P$1 107.79,142.19 107.79,137.09 101.51,130.81 v1(101.51,129.04)
/LOAD+: length 992.1
  Top w1.3: U3.P$2 243.07,33.06 R25#2.1 ; v1(250.83,156.98) 247.96,159.85 231.4,159.85 231.4,204.35 R23#2.2 ; v1(104.05,38.14) 101.18,41.01 84.62,41.01 84.62,85.51 R23#4.2 ; R25#3.1 243.07,151.9 U3#4.P$2 ; v1(250.83,38.14) 247.96,41.01 231.4,41.01 231.4,85.51 R23#3.2 ; U3#2.P$2 96.29,151.9 R25.1 ; v1(104.05,156.98) 101.18,159.85 84.62,159.85 84.62,204.35 R23.2 ; U3#3.P$2 96.29,33.06 R25#4.1
  Bottom w1.3: R23#4.2 94.1,99.1 109.34,114.34 R24#2.2 R26#3.2 R31#2.2 ; 109.13,20.45 120.1,20.45 125.27,15.28 C4#2.1 ; 109.13,20.45 U3#3.P$2 ; 109.13,20.45 114.21,25.53 114.21,26.14 112.4,27.96 109.36,27.96 104.05,33.27 v1(104.05,38.14) ; R23.2 94.1,217.94 109.34,233.18 R24.2 R26#4.2 R31#4.2 ; R31#3.2 R26#2.2 R24#4.2 256.12,233.18 240.88,217.94 R23#2.2 ; U2#3.P$2 70.79,146.3 71.31,146.82 86.27,146.82 R25.1 ; U2.P$2 217.57,27.46 218.09,27.98 233.05,27.98 R25#2.1 ; C4.1 272.05,15.28 266.88,20.45 255.91,20.45 ; R31.2 R26.2 R24#3.2 256.12,114.34 240.88,99.1 R23#3.2 ; v1(104.05,156.98) 104.05,152.11 109.36,146.8 112.4,146.8 114.21,144.98 114.21,144.37 109.13,139.29 ; v1(250.83,38.14) 250.83,33.27 256.14,27.96 259.18,27.96 260.99,26.14 260.99,25.53 255.91,20.45 ; C4#4.1 272.05,134.12 266.88,139.29 255.91,139.29 ; 255.91,139.29 U3#4.P$2 ; 255.91,139.29 260.99,144.37 260.99,144.98 259.18,146.8 256.14,146.8 250.83,152.11 v1(250.83,156.98) ; C4#3.1 125.27,134.12 120.1,139.29 109.13,139.29 ; 255.91,20.45 U3.P$2 ; R25#4.1 86.27,27.98 71.31,27.98 70.79,27.46 U2#2.P$2 ; U3#2.P$2 109.13,139.29 ; U2#4.P$2 217.57,146.3 218.09,146.82 233.05,146.82 R25#3.1
/POW_IN_CON: length 338.7
  Top w1.3: v1(266.07,172.22) 262.19,172.22 260.73,173.68 Q7#4.2 ; Q7.2 113.95,173.68 115.41,172.22 v1(119.29,172.22) ; Q7#3.2 113.95,54.84 115.41,53.38 v1(119.29,53.38) ; Q7#2.2 260.73,54.84 262.19,53.38 v1(266.07,53.38)
  Bottom w1.3: R1#4.1 121.83,169.68 v1(119.29,172.22) U5#4.1 133.49,178.8 135.15,178.8 136.03,177.92 136.03,170.72 D3#3.1 137.07,164.6 C1#4.1 ; Q7#2.2 Q6.2 Q5#4.2 Q4#4.2 ; R1#3.1 268.61,50.84 v1(266.07,53.38) U5.1 280.27,59.96 281.93,59.96 282.81,59.08 282.81,51.88 D3#2.1 283.85,45.76 C1#2.1 ; Q4.2 Q5.2 Q6#4.2 Q7#4.2 ; C1.1 137.07,45.76 D3.1 136.03,51.88 136.03,59.08 135.15,59.96 133.49,59.96 U5#3.1 v1(119.29,53.38) 121.83,50.84 R1#2.1 ; C1#3.1 283.85,164.6 D3#4.1 282.81,170.72 282.81,177.92 281.93,178.8 280.27,178.8 U5#2.1 v1(266.07,172.22) 268.61,169.68 R1.1 ; Q7.2 Q6#2.2 Q5#3.2 Q4#3.2 ; Q7#3.2 Q6#3.2 Q5#2.2 Q4#2.2
/POW_REG_CON: length 186.8
  Top w1.3: v1(131.99,61) v1(134.53,58.46) ; v1(278.77,61) v1(281.31,58.46) ; v1(131.99,179.84) v1(134.53,177.3) ; v1(278.77,179.84) v1(281.31,177.3)
  Bottom w1.3: U8#2.3 273.45,73.7 276.23,70.92 276.23,63.54 v1(278.77,61) ; v1(281.31,177.3) 281.31,172.56 275.89,167.14 U5#2.3 273.69,159.44 C2#2.1 ; v1(131.99,61) 129.45,63.54 129.45,70.92 126.67,73.7 U8.3 ; U8#4.3 126.67,192.54 129.45,189.76 129.45,182.38 v1(131.99,179.84) ; v1(134.53,177.3) 134.53,172.56 129.12,167.14 U5#4.3 126.91,159.44 C2#3.1 ; v1(278.77,179.84) 276.23,182.38 276.23,189.76 273.45,192.54 U8#3.3 ; C2.1 126.91,40.6 U5#3.3 129.12,48.3 134.53,53.72 v1(134.53,58.46) ; C2#4.1 273.69,40.6 U5.3 275.89,48.3 281.31,53.72 v1(281.31,58.46)
/POWER_ON_OFF: length 98.4
  Top w0.5: U12#3.1 192.54,146.71 192.54,164.47 U1.19 ; U1#2.19 45.76,164.47 45.76,146.71 U12#4.1 ; U12.1 192.54,27.87 192.54,45.63 U1#3.19 ; U1#4.19 45.76,45.63 45.76,27.87 U12#2.1
/PSHARE_ON_OFF: length 138.9
  Top w0.5: U1#3.18 197.55,45.45 197.55,38.2 v1(197.49,38.14) ; v1(50.71,156.98) 50.77,157.04 50.77,164.29 U1#2.18 ; U1.18 197.55,164.29 197.55,157.04 v1(197.49,156.98) ; v1(50.71,38.14) 50.77,38.2 50.77,45.45 U1#4.18
  Bottom w0.5: U7#2.1 186.06,29.67 194.54,38.14 v1(197.49,38.14) ; U7#3.1 186.06,148.51 194.54,156.98 v1(197.49,156.98) ; U7#4.1 39.28,148.51 47.76,156.98 v1(50.71,156.98) ; U7.1 39.28,29.67 47.76,38.14 v1(50.71,38.14)
/RELAY1_IN: length 365.3
  Top w0.5: v1(86.27,141.74) 81.19,136.66 69.98,136.66 63.67,130.35 Q1#2.2 ; Q1#4.2 63.67,11.51 69.98,17.82 81.19,17.82 v1(86.27,22.9) ; Q1.2 210.45,11.51 216.76,17.82 227.97,17.82 v1(233.05,22.9) ; U3#3.P$3 113.5,17.06 113.5,28.41 107.6,34.31 90.83,34.31 90.1,33.58 90.1,32.54 93.39,29.25 D2#4.2 ; D2#3.2 240.17,148.09 236.88,151.38 236.88,152.42 237.61,153.15 254.38,153.15 260.28,147.25 260.28,135.9 U3#4.P$3 ; v1(233.05,141.74) 227.97,136.66 216.76,136.66 210.45,130.35 Q1#3.2 ; D2#2.2 240.17,29.25 236.88,32.54 236.88,33.58 237.61,34.31 254.38,34.31 260.28,28.41 260.28,17.06 U3.P$3 ; U3#2.P$3 113.5,135.9 113.5,147.25 107.6,153.15 90.83,153.15 90.1,152.42 90.1,151.38 93.39,148.09 D2.2
  Bottom w0.5: v1(86.27,141.74) 92.62,148.09 D2.2 ; D2#4.2 92.62,29.25 v1(86.27,22.9) ; D2#2.2 239.4,29.25 v1(233.05,22.9) ; D2#3.2 239.4,148.09 v1(233.05,141.74)
